# Altium PCB oxo.pcbdoc (part 1 of 3)
Units mm, origin at the board's own origin, x right, y up, seen from the top; angles counter-clockwise.
Board outline 198.24 x 185.82 mm, 6 copper layers (Top Layer, Inner1, Inner2, Inner3, 内层4, Bottom Layer); 54 components, 121 nets, 696 pads, 616 vias.
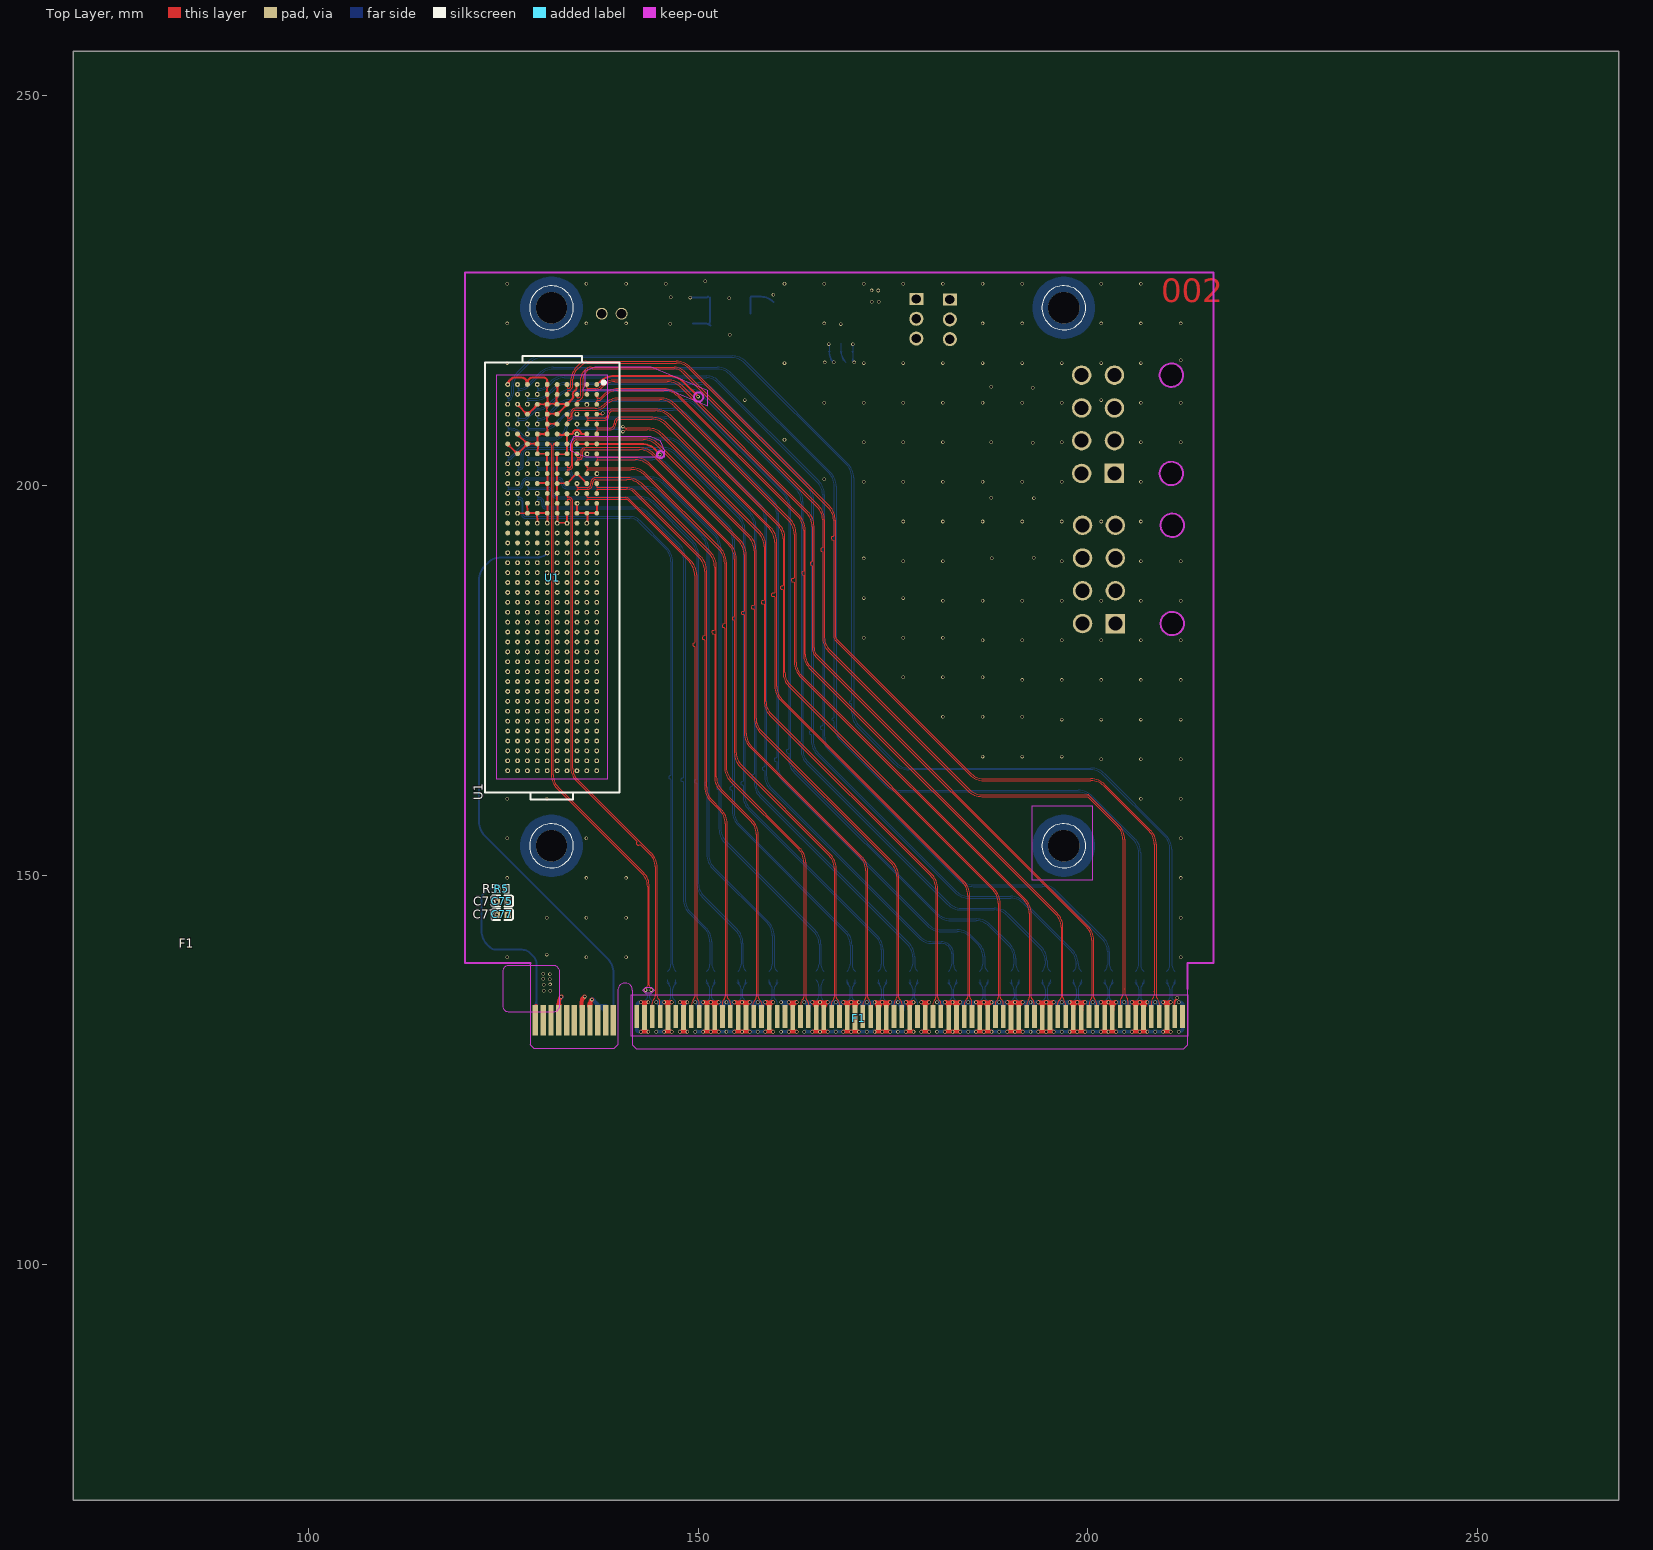
[diagram p0: Top Layer view]
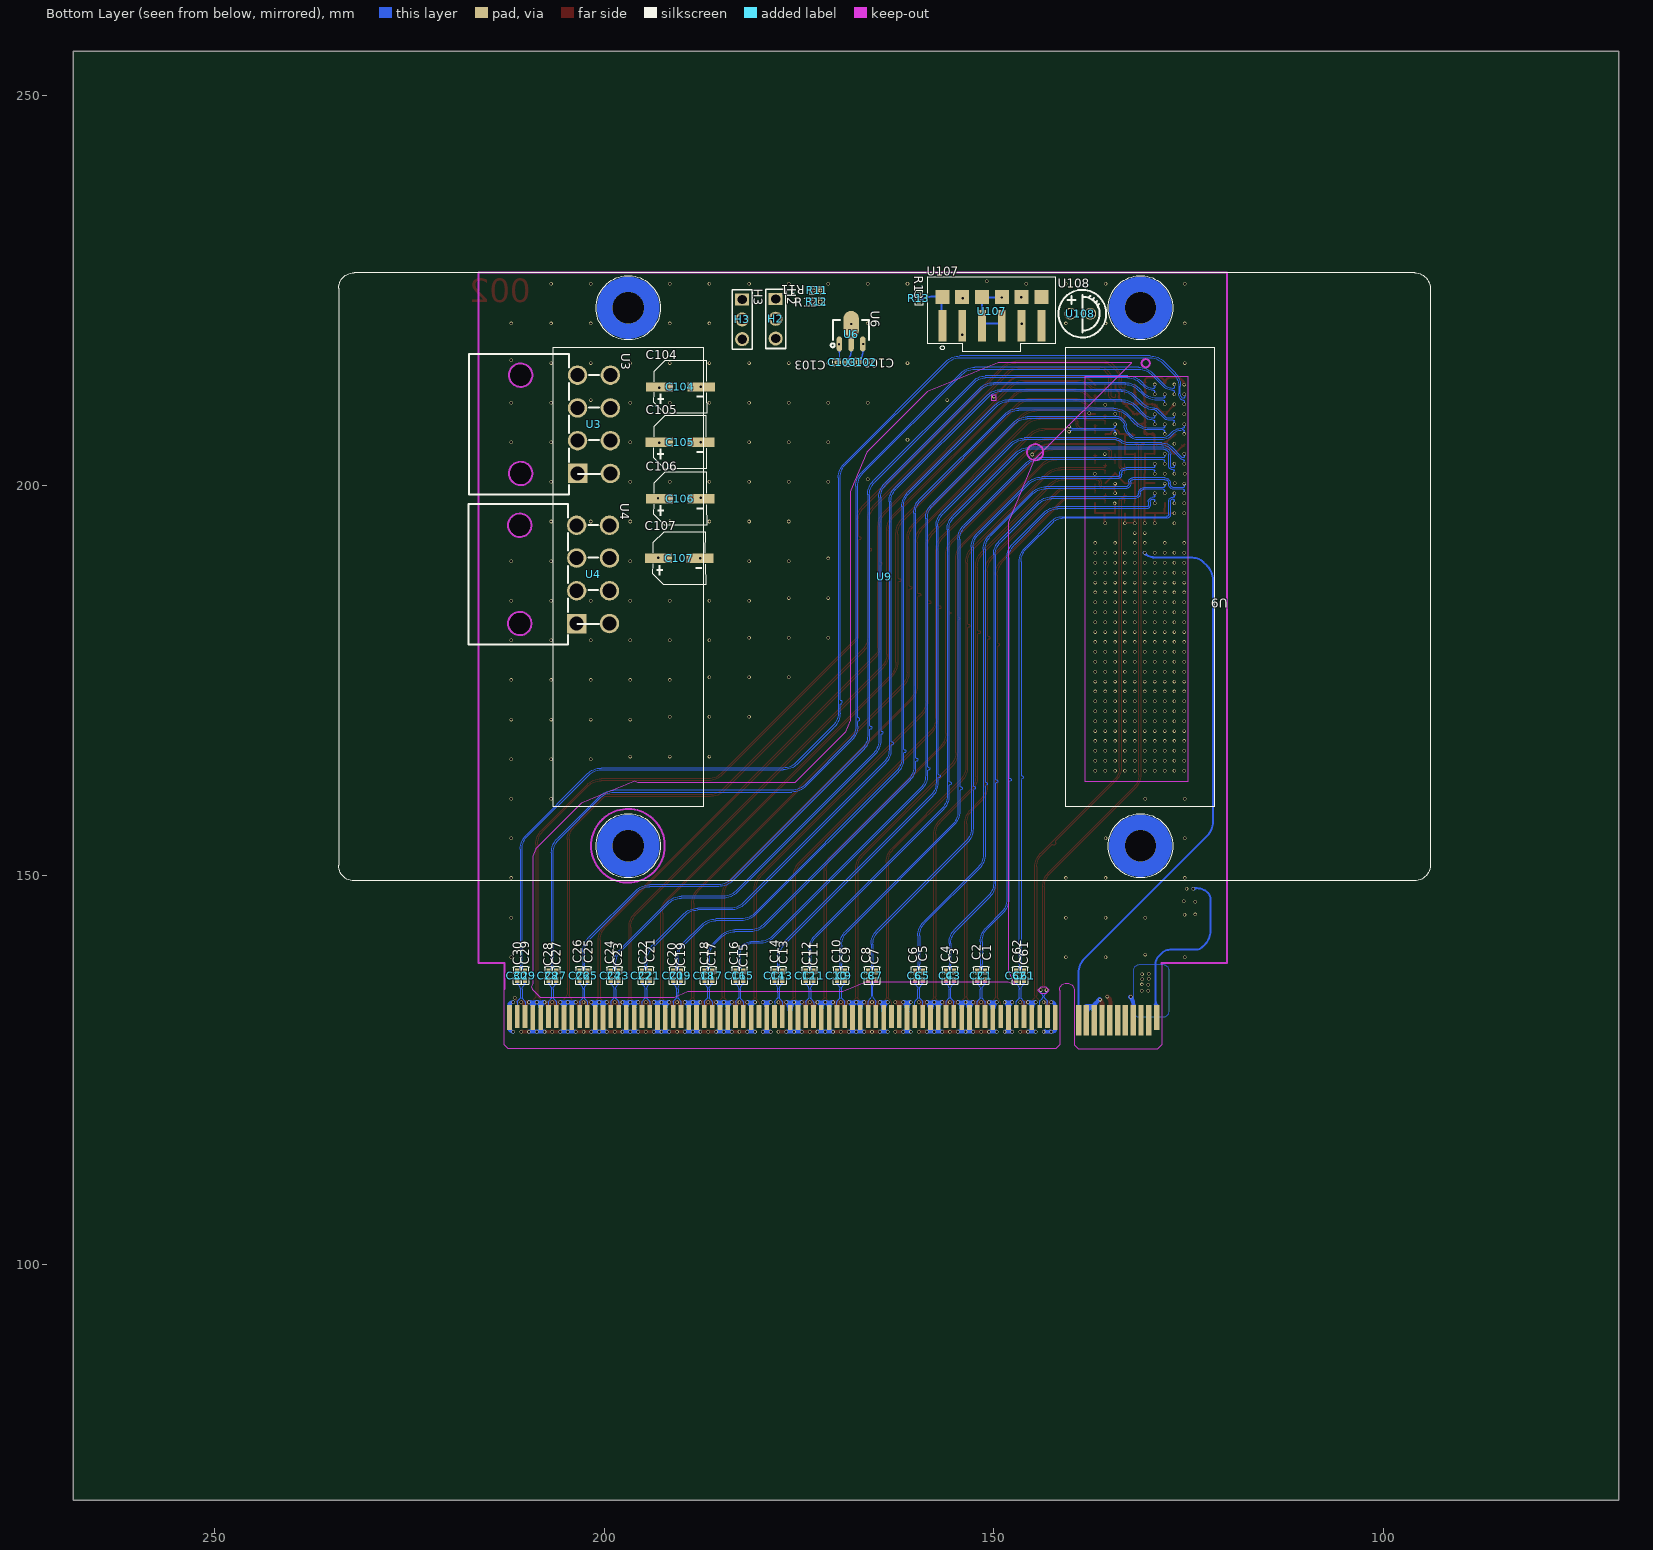
[diagram p1: Bottom Layer view, seen from below]
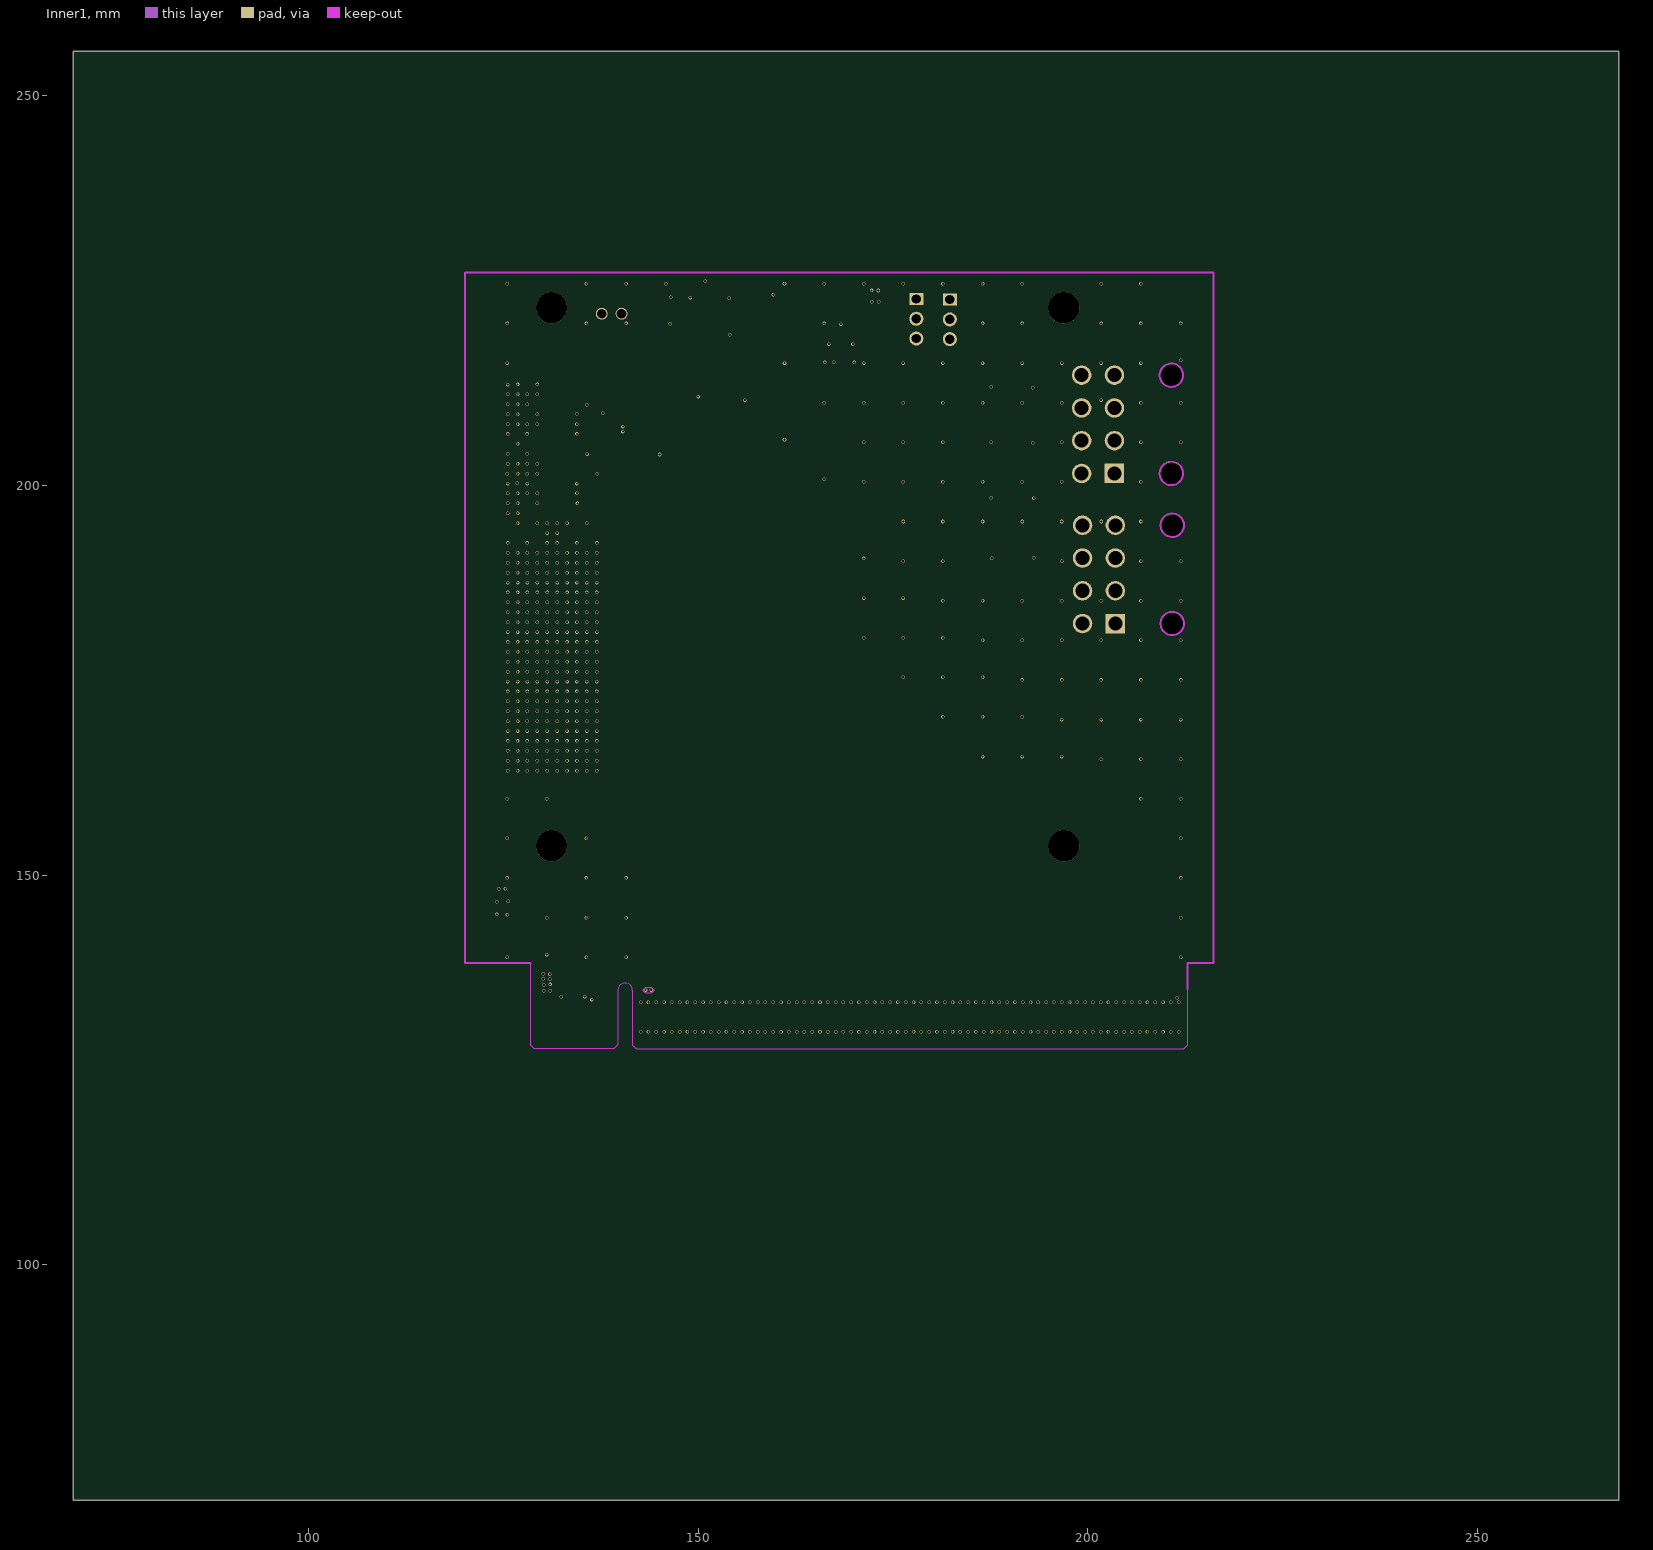
[diagram p2: Inner1]
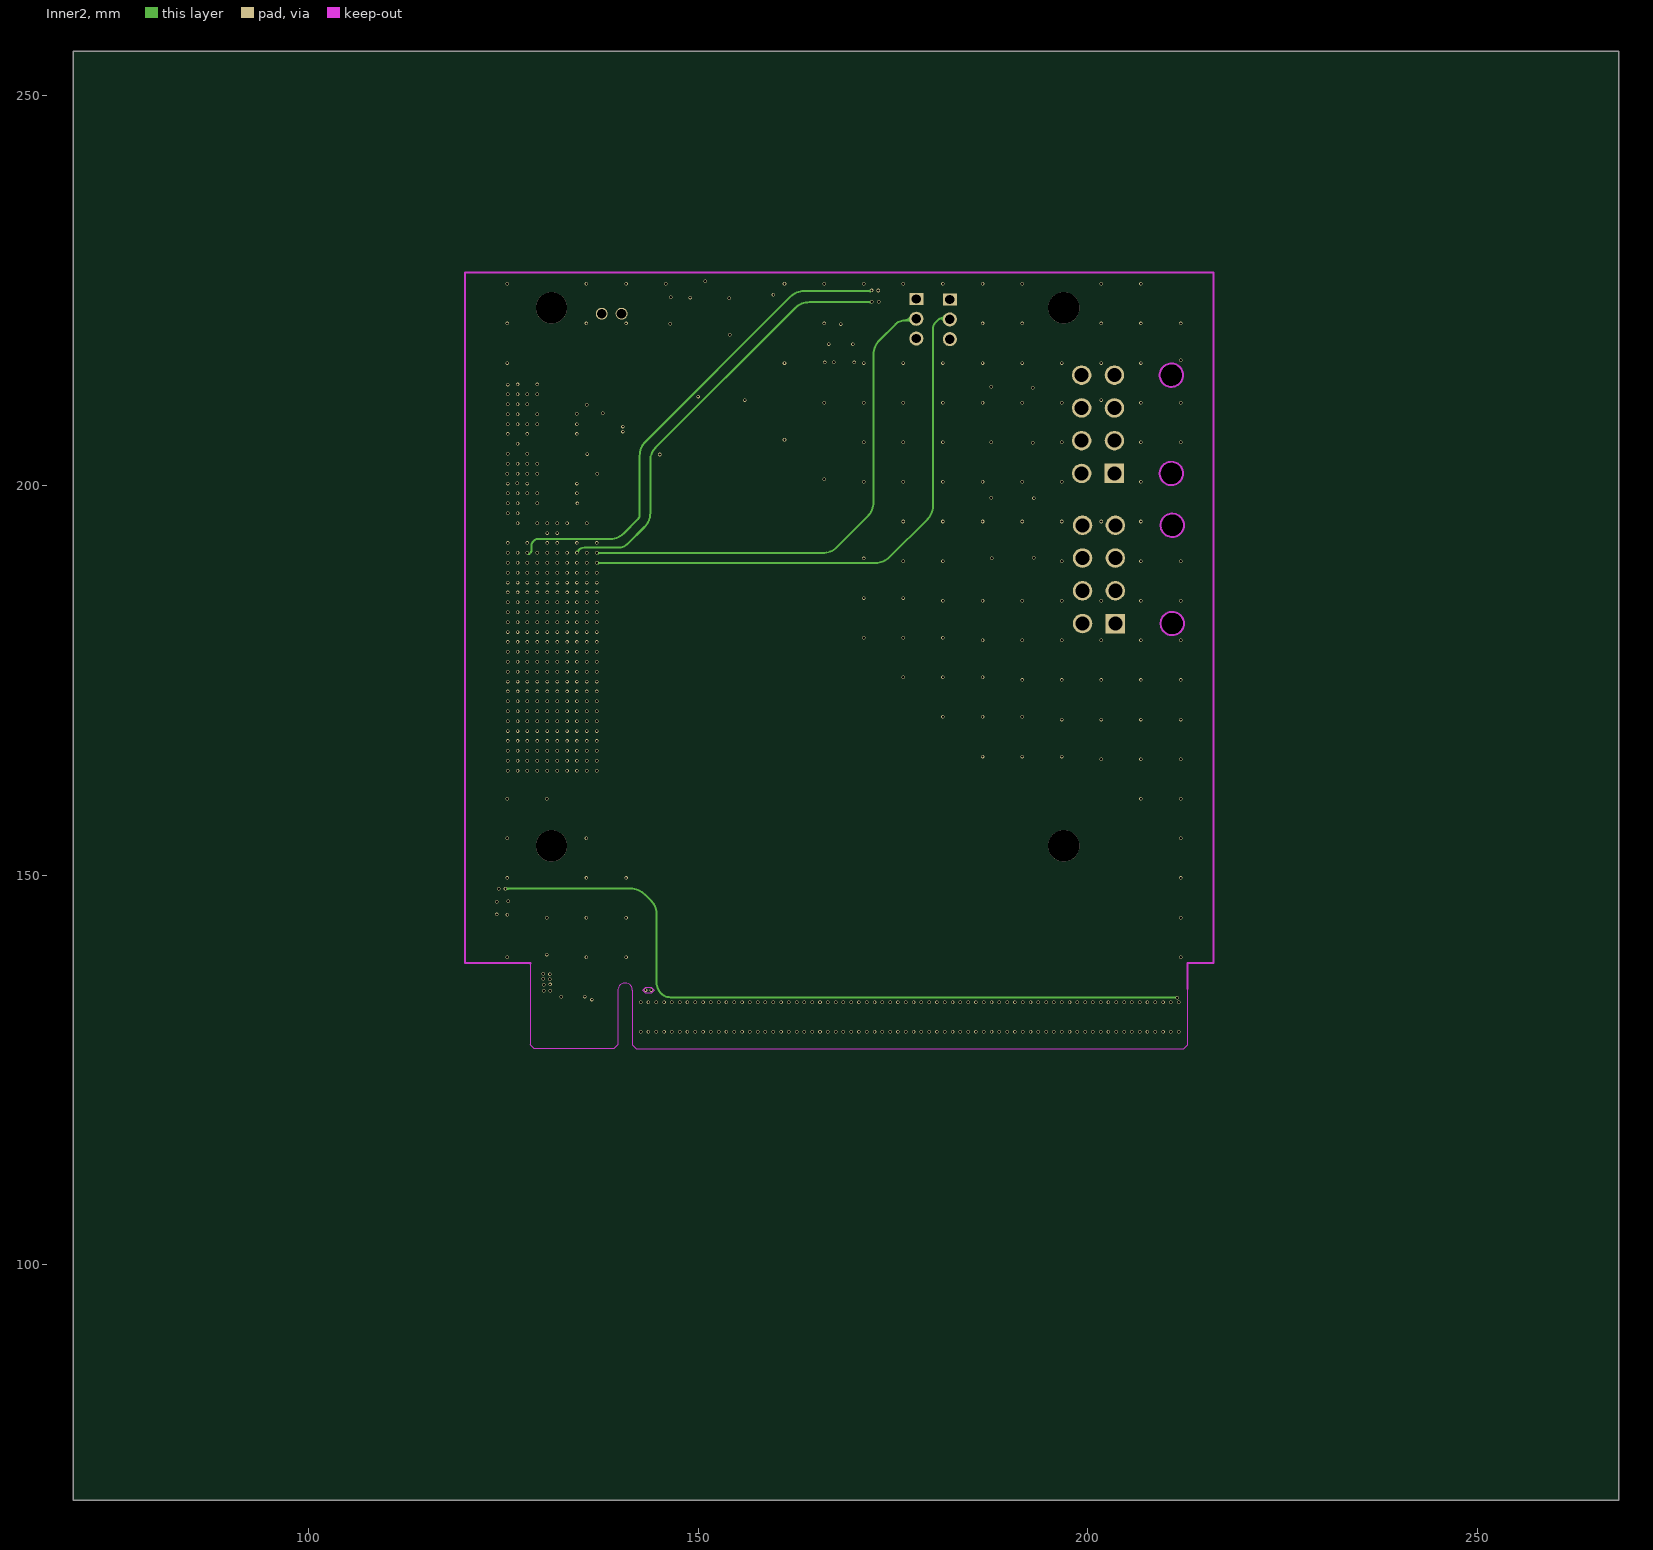
[diagram p3: Inner2]
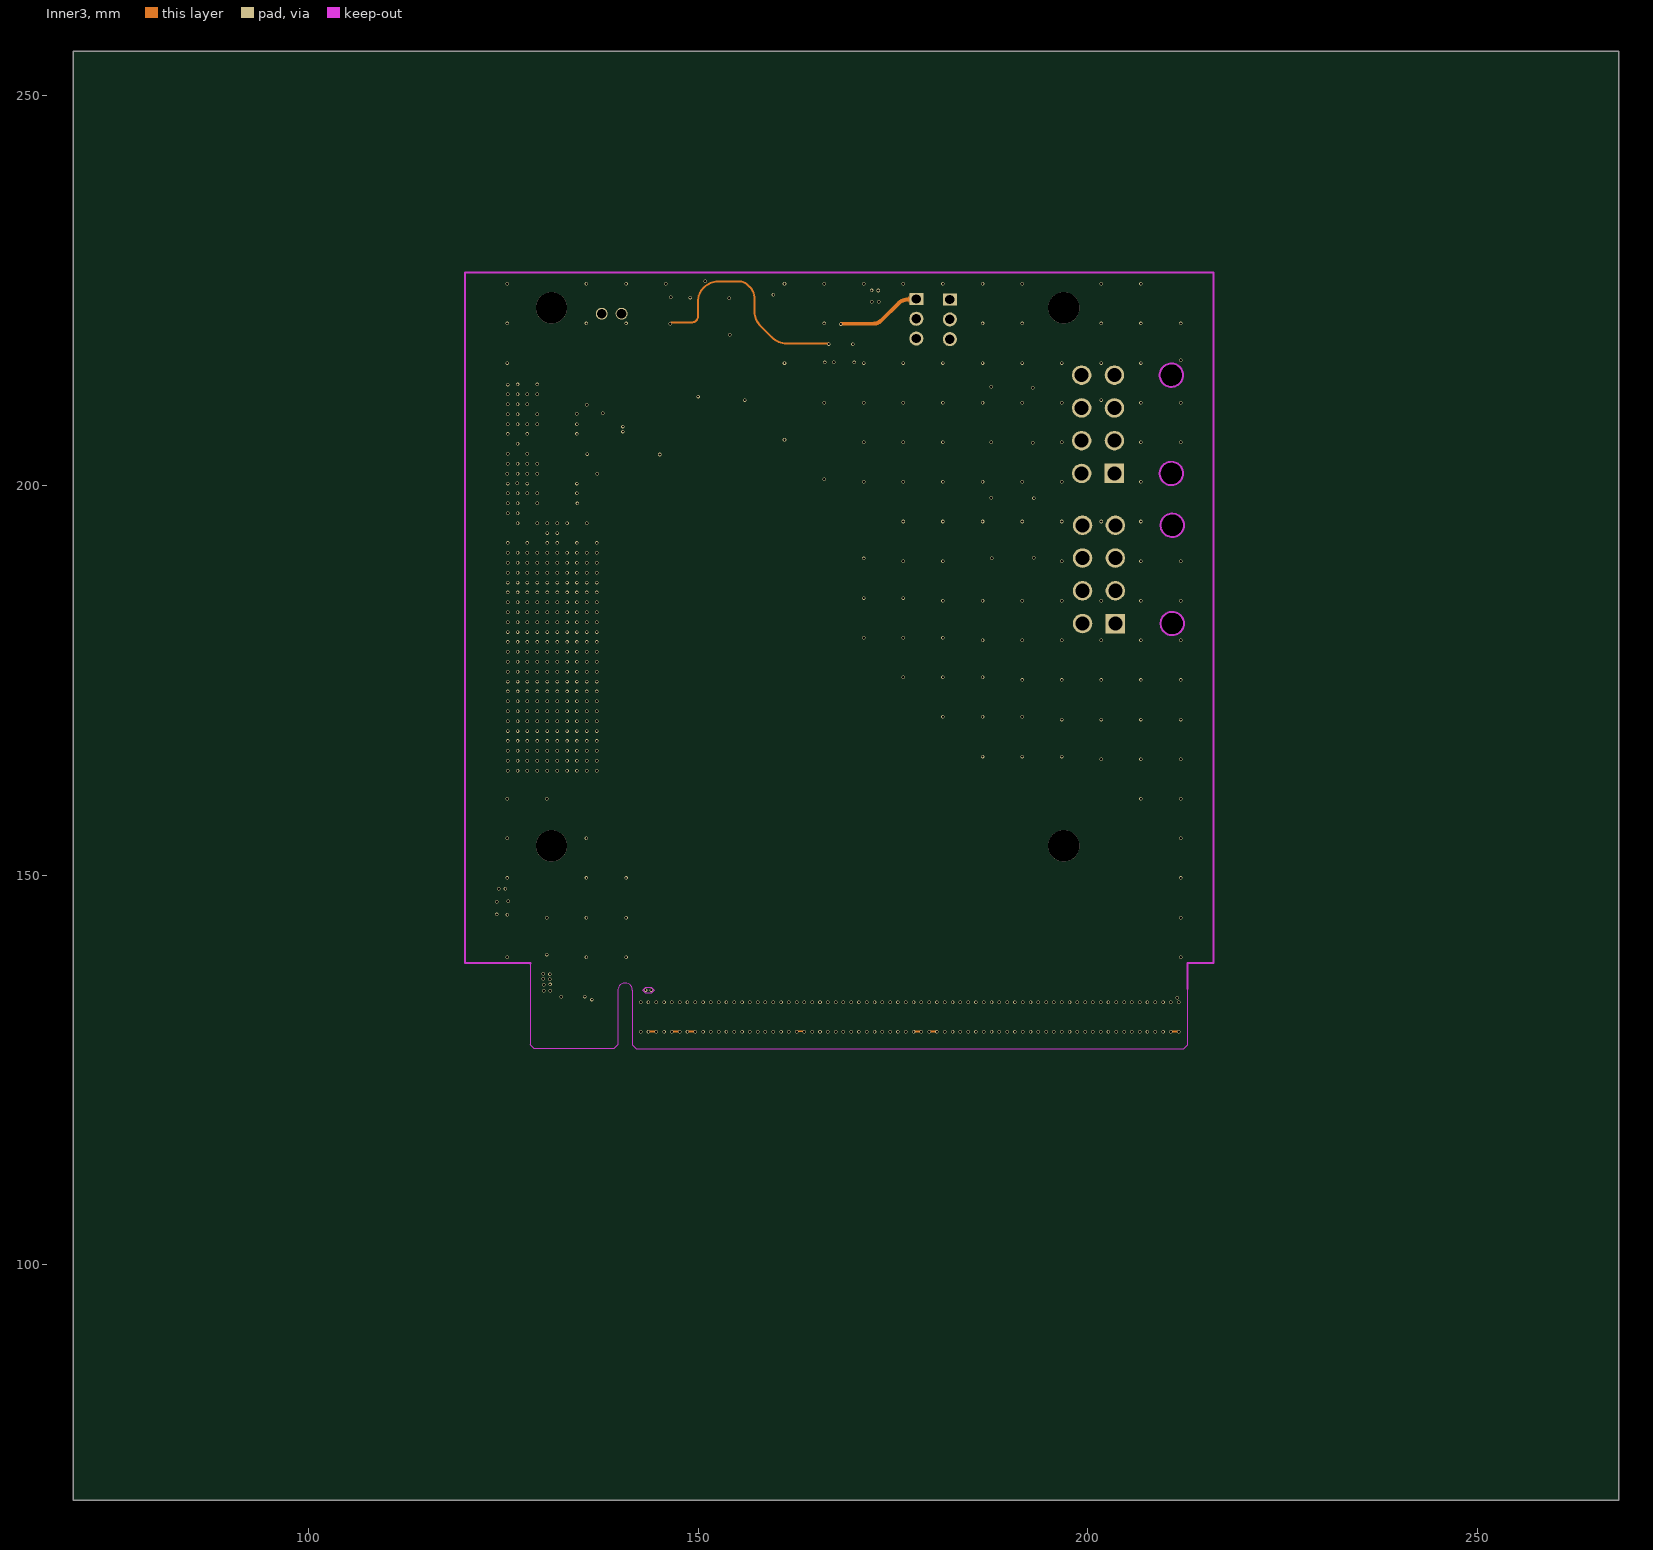
[diagram p4: Inner3]